# Altium PCB R3S603.PcbDoc
Units mm, origin at the board's own origin, x right, y up, seen from the top; angles counter-clockwise.
Board outline 100.25 x 100.25 mm, 2 copper layers (Top Layer, Bottom Layer); 55 components, 39 nets, 188 pads, 31 vias.
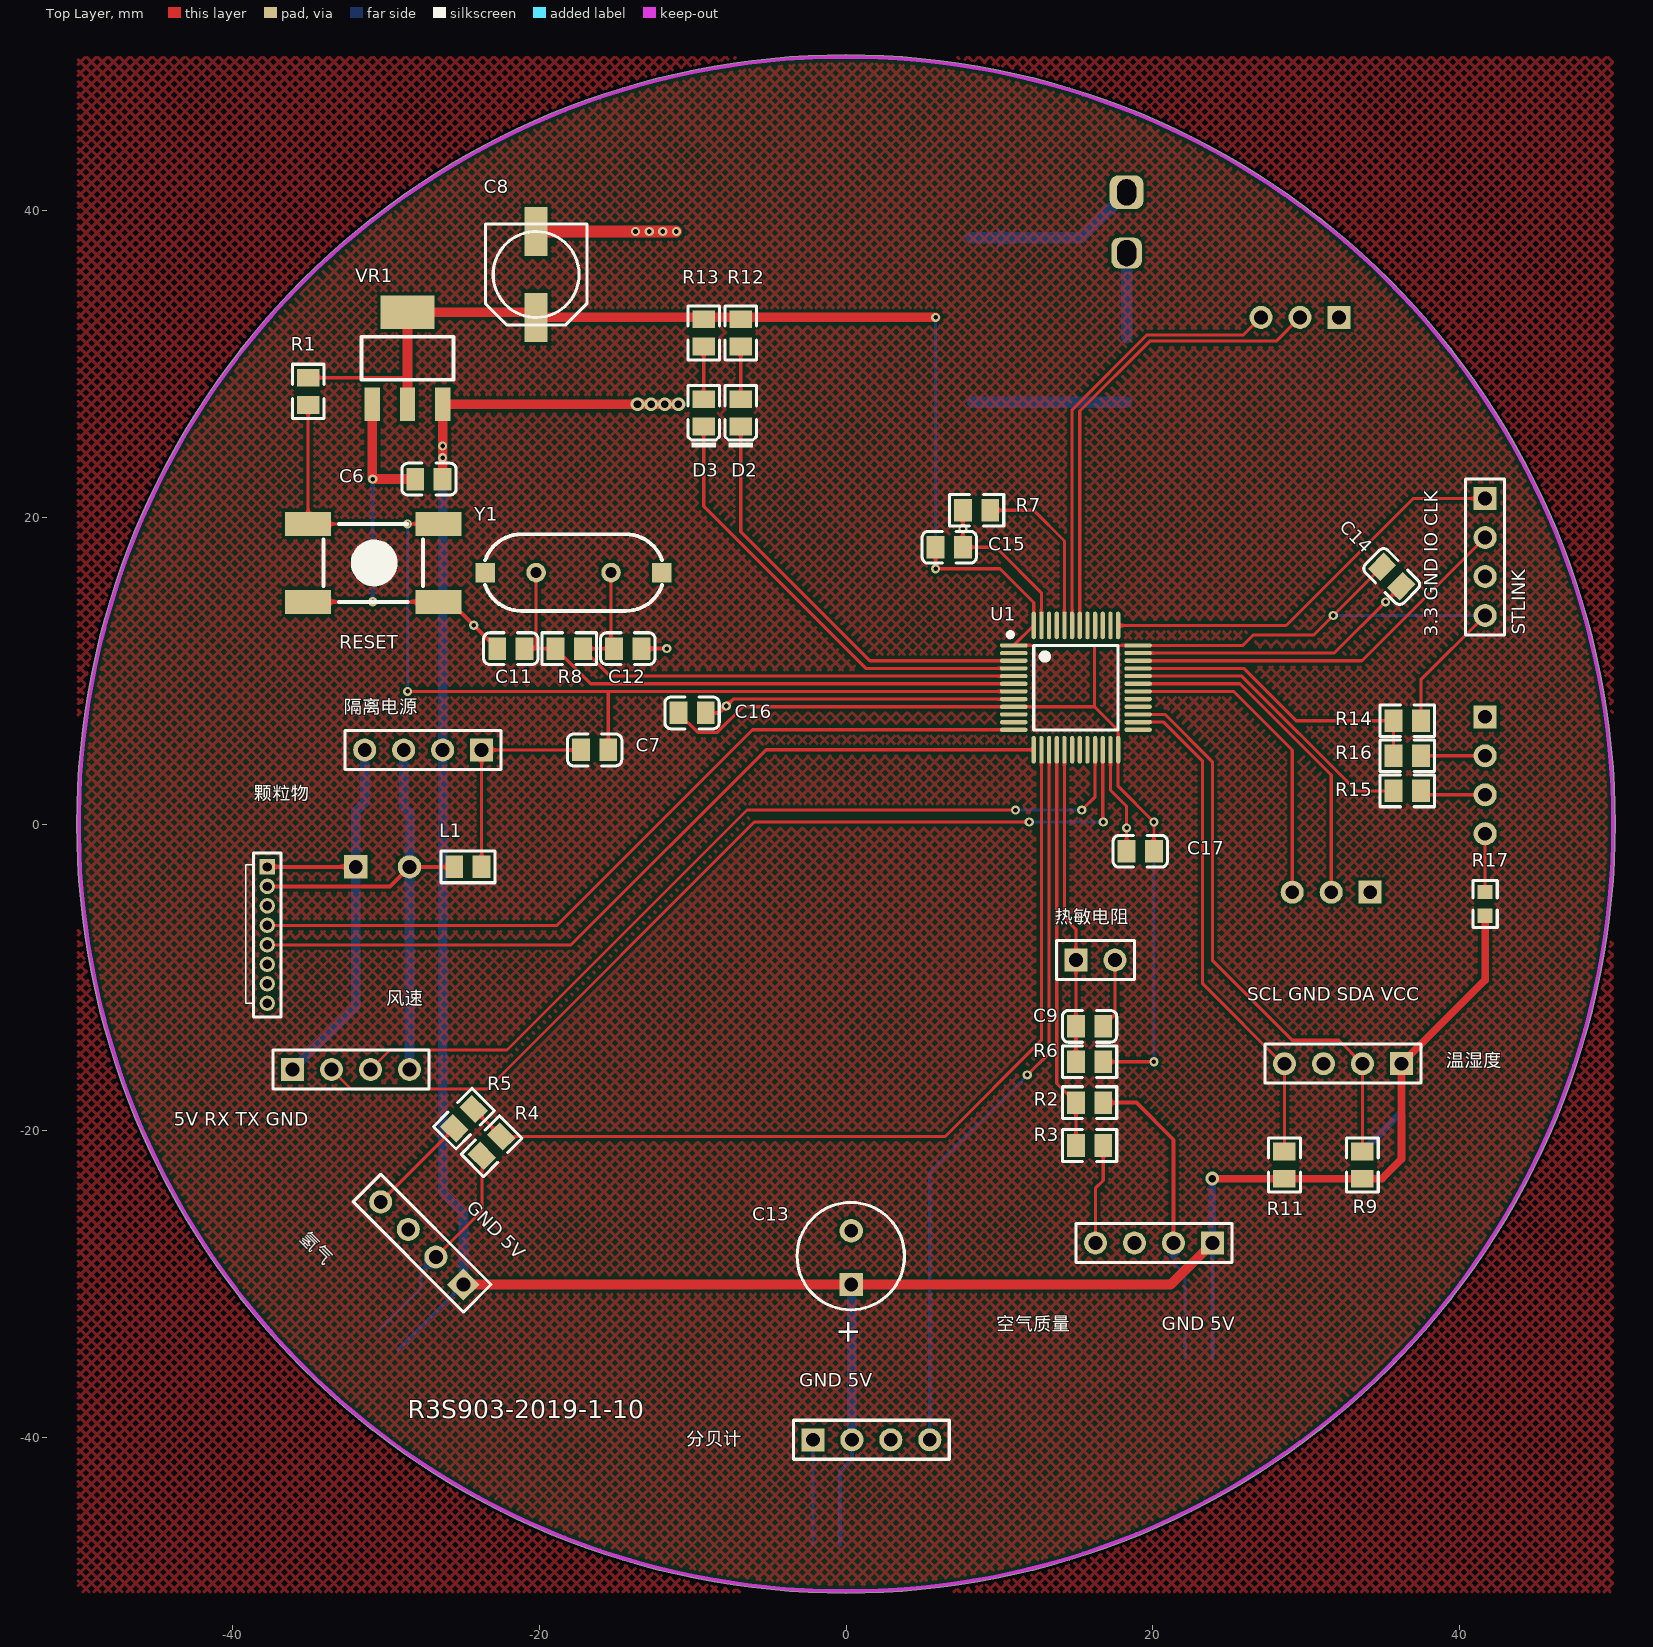
[diagram p0: Top Layer view]
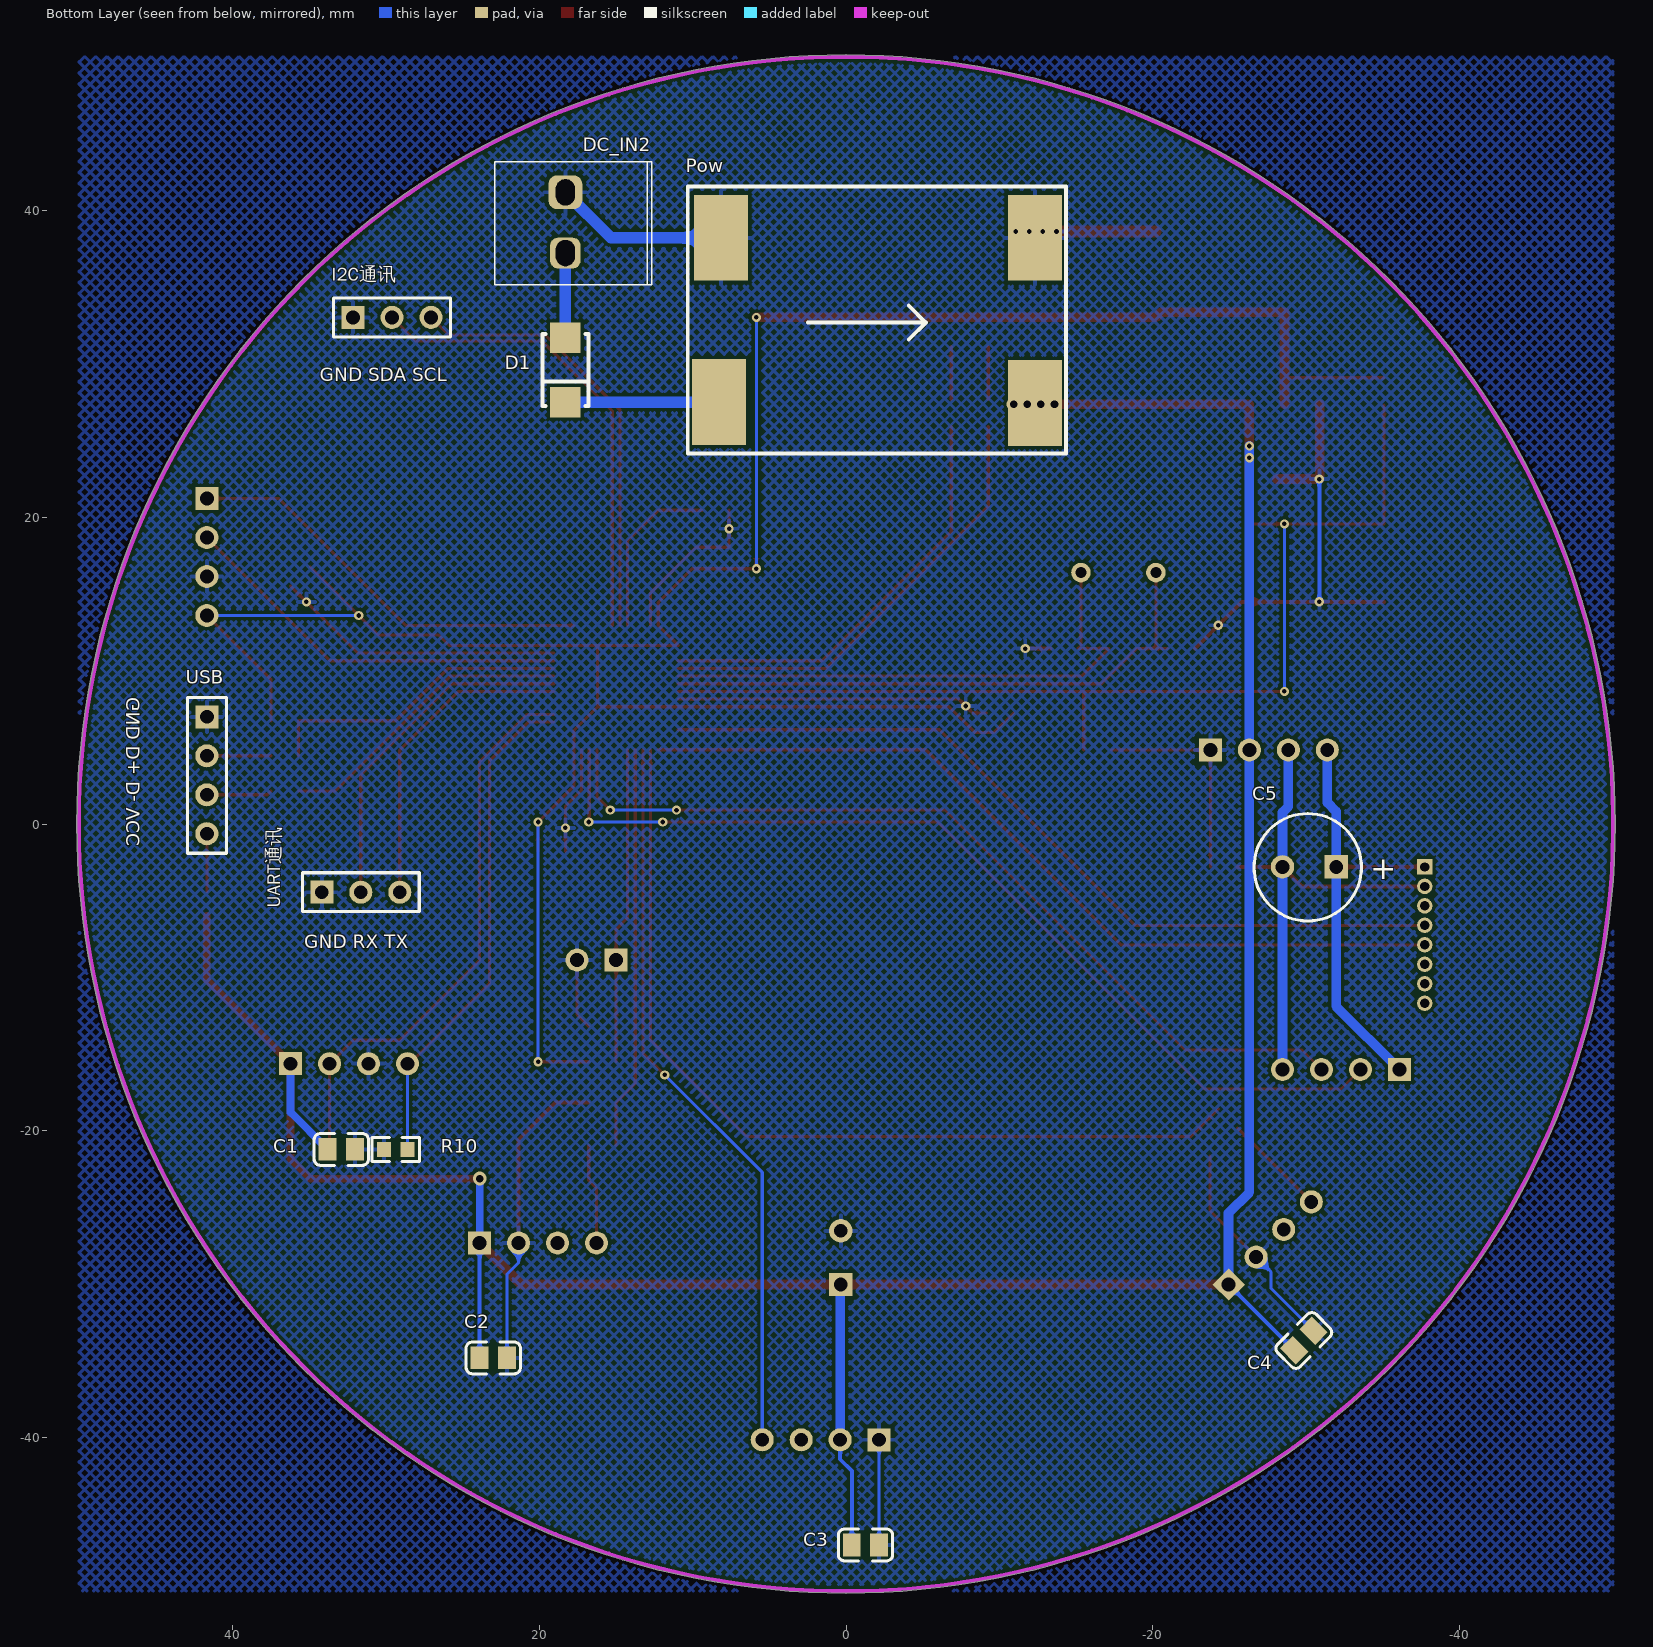
[diagram p1: Bottom Layer view, seen from below]
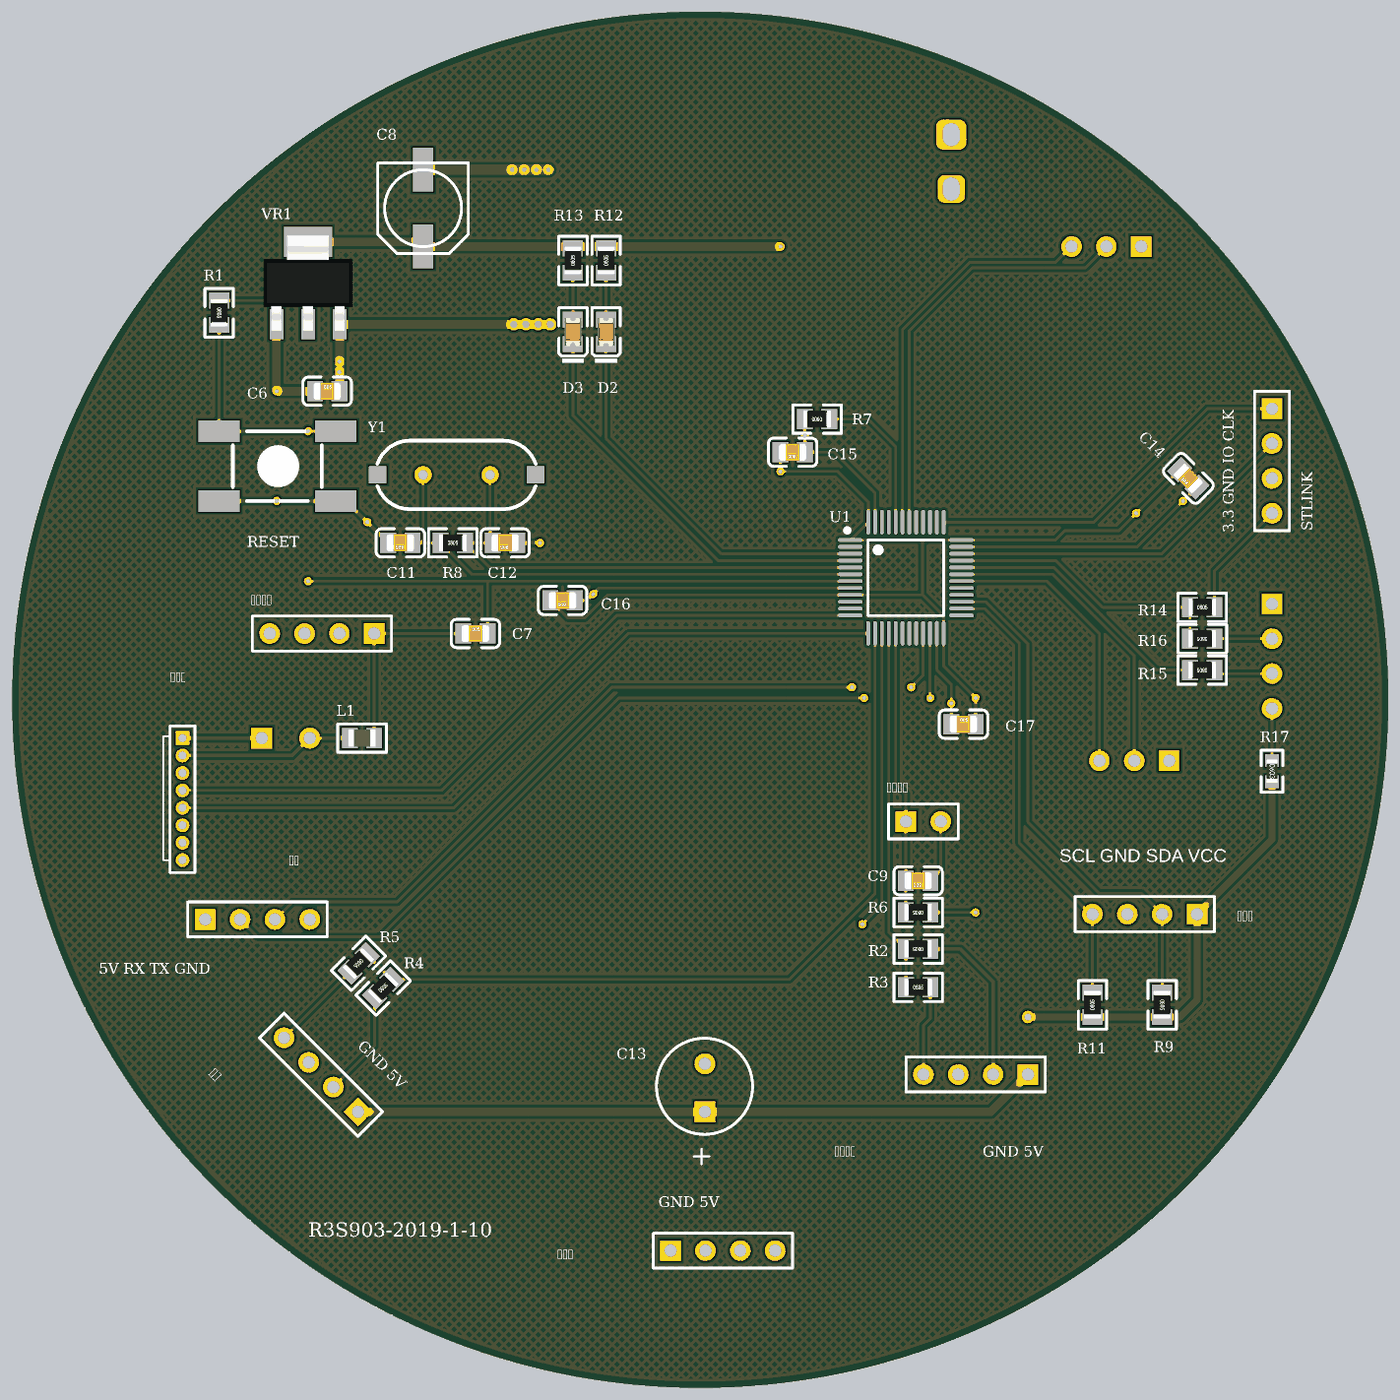
[diagram p2: 3D render of the assembled board from above, using the file's embedded part models]

## Layer stack, top to bottom
Top Solder: solder mask 0.0102, Solder Resist, Dk 3.5
Top Layer: signal copper 0.0356
Dielectric 1: dielectric 0.32, FR-4, Dk 4.8
Bottom Layer: signal copper 0.0356
Bottom Solder: solder mask 0.0102, Solder Resist, Dk 3.5

## Board outline
0,-50.127 cw(c0,0) -50.127,0 cw(c0,0) 0,50.127 cw(c0,0) 50.127,0 cw(c0,0)

## Design rules (kind name [scope] priority, off if disabled: settings)
Clearance [All] p1: gap=0.203 ignorepadtopadclearanceinfootprint=FALSE
PolygonConnect [All] p1: connectstyle=Relief reliefconductorwidth=0.254 reliefentries=4 polygonreliefangle="90 Angle" airgapwidth=0.254
RoutingVias [All] p1: holewidth=0.711 width=1.27 viastyle="Through Hole" minholewidth=0.711 minwidth=1.27 maxholewidth=0.711 maxwidth=1.27
SolderMaskExpansion [All] p1: expansion=0.102
Width [All] p1: maxlimit=0.762 minlimit=0.203 preferedwidth=0.254
30 further rules are at their usual default settings.

## Components (designator, comment, footprint, x,y, rotation, side; value= is the part's Value field where it differs from the comment)
C1 "100nF(104) 10% 50V" LC-0805_C 32.893,-21.209 r0 bottom
C2 "100nF(104) 10% 50V" LC-0805_C 22.987,-34.798 r180 bottom
C3 "100nF(104) 10% 50V" LC-0805_C -1.27,-46.99 r180 bottom
C4 "100nF(104) 10% 50V" LC-0805_C -29.839,-33.661 r135 bottom
C5 "Cap" CAP-DIP-3.5 -31.948,-2.794 r180 bottom locked
C6 "10uF (106) 10% 25V" LC-0805_C -27.178,22.479 r0 top
C7 "100nF(104) 10% 50V" LC-0805_C -16.383,4.826 r0 top
C8 "22uF" CC6.56.5 -20.193,35.814 r90 top
C9 "100nF(104) 10% 50V" LC-0805_C 15.875,-13.188 r180 top
C11 "22pF (220) 5% 50V" LC-0805_C -21.845,11.43 r180 top
C12 "22pF (220) 5% 50V" LC-0805_C -14.224,11.43 r180 top
C13 "Cap" CAP-DIP-3.5 0.337,-30.016 r270 top
C14 "100nF(104) 10% 50V" LC-0805_C 35.56,16.129 r135 top
C15 "100nF(104) 10% 50V" LC-0805_C 6.732,18.034 r180 top
C16 "100nF(104) 10% 50V" LC-0805_C -10.033,7.239 r180 top
C17 "100nF(104) 10% 50V" LC-0805_C 19.177,-1.778 r0 top
D1 "SS210" LC-SMA(DO-214AC)_S1 18.288,29.591 r90 bottom
D2 "翠绿 0805" LC-0805_LED_S1 -6.858,26.796 r90 top
D3 "红灯 0805" LC-0805_LED_S1 -9.271,26.796 r90 top
DC_IN2 "Header 2" "VH-2A - Circle Hole" 18.288,41.171 r270 bottom
I2C通讯 "Header 3" HDR1X3 32.131,33.02 r180 bottom (schematic designator I2CͨѶ)
L1 "47uH ±10%" LC-0805_L -24.638,-2.794 r180 top
Pow "Power" Power_Model -14.351,41.554 r0 bottom locked
R1 "10KΩ (1002) ±1%" LC-0805_R -35.052,28.194 r270 top
R2 "3.3KΩ (3301) ±1%" LC-0805_R 15.876,-18.161 r180 top
R3 "1.5KΩ (1501) ±1%" LC-0805_R 15.876,-20.955 r0 top
R4 "3.3KΩ (3301) ±1%" LC-0805_R -23.102,-20.998 r45 top
R5 "1.5KΩ (1501) ±1%" LC-0805_R -24.898,-19.202 r225 top
R6 "10KΩ (1002) ±1%" LC-0805_R 15.875,-15.494 r180 top
R7 "10KΩ (1002) ±1%" LC-0805_R 8.509,20.447 r180 top
R8 "10MΩ (1005) ±1%" LC-0805_R -18.034,11.43 r0 top
R9 "5.1KΩ (5101) ±1%" LC-0805_R 33.655,-22.225 r270 top
R10 "0Ω (0R0) ±1%" LC-0603_R 29.345,-21.209 r180 bottom
R11 "5.1KΩ (5101) ±1%" LC-0805_R 28.575,-22.225 r90 top
R12 "510Ω (5100) ±1%" LC-0805_R -6.858,32.003 r90 top
R13 "510Ω (5100) ±1%" LC-0805_R -9.271,32.003 r90 top
R14 "1.5KΩ (1501) ±1%" LC-0805_R 36.576,6.731 r0 top
R15 "10Ω (10R0) ±1%" LC-0805_R 36.576,2.159 r180 top
R16 "10Ω (10R0) ±1%" LC-0805_R 36.577,4.445 r180 top
R17 "0Ω (0R0) ±1%" LC-0603_R 41.656,-5.207 r270 top
RESET "KEY_M" KEY_M -35.052,19.558 r0 top
STLINK "Header 4" HDR1X4 41.656,21.209 r270 top
U1 "STM32F103C8T6" LC-LQFP-48_7x7x05P 14.986,8.89 r270 top locked
UART通讯 "Header 3" HDR1X3 34.163,-4.445 r180 bottom (schematic designator UARTͨѶ)
USB "Header 4" HDR1X4 41.656,6.985 r270 bottom
VR1 "AMS1117-3.3" LC-SOT-223 -28.575,30.353 r270 top
Y1 "8MHz" XTAL_US -20.193,16.383 r0 top
分贝计 "Header 4" HDR1X4 -2.159,-40.132 r0 top
氢气 "Header 4" HDR1X4 -24.935,-30.016 r135 top
温湿度 "Header 4" HDR1X4 36.195,-15.621 r180 top
热敏电阻 "Header 2" HDR1X2 14.986,-8.87 r0 top
空气质量 "Header 4" HDR1X4 23.878,-27.303 r180 top
隔离电源 "Header 4" HDR1X4 -23.749,4.826 r180 top
颗粒物 "MHDR1X8" MHDR1X8 -37.719,-2.794 r270 top
风速 "Header 4" HDR1X4 -36.068,-16.002 r0 top

## Footprints (in the part's own frame and the unit in brackets; to place one, negate y for a bottom-side part, rotate by r counter-clockwise, add the part's x,y. Pads: shape width x height; smd on the part's side, far side on the other; paste and mask are expansions set on the pad)
CAP-DIP-3.5 [mil]
  rect 60x60 hole 35.43: 1(0,0)
  round 60 hole 35.43: 2(-137.8,0)
  silkscreen extent -211,-139 65,137
CC6.56.5 [mm]
  rect 3.2x1.5 smd: 1(-2.794,0) 2(2.8,0)
  silkscreen extent -3.3,-3.3 3.3,3.3
HDR1X2 [mm] "Connector; Header; 2 Position"
  rect 1.5x1.5 hole 0.9: 1(0,0)
  round 1.5 hole 0.9: 2(2.54,0)
  silkscreen extent -1.27,-1.27 3.81,1.27
HDR1X3 [mm] "Connector; Header; 3 Position"
  rect 1.5x1.5 hole 0.9: 1(0,0)
  round 1.5 hole 0.9: 2(2.54,0) 3(5.08,0)
  silkscreen extent -1.27,-1.27 6.35,1.27
HDR1X4 [mm] "Connector; Header; 4 Position"
  rect 1.5x1.5 hole 0.9: 1(0,0)
  round 1.5 hole 0.9: 2(2.54,0) 3(5.08,0) 4(7.62,0)
  silkscreen extent -1.27,-1.27 8.89,1.27
KEY_M [mm]
  rect 3x1.575 smd: 1(0,0) 1(8.5,0) 2(0,-5.08) 2(8.5,-5.08)
  silkscreen extent 1,-5.08 7.48,0
LC-0603_R [mm]
  rect 0.93x0.98 smd: 1(-0.77,0) 2(0.77,0)
  silkscreen extent -1.53,-0.79 1.54,0.79, body extent -0.85,-0.4 0.85,0.4, height 0.56
LC-0805_C [mm]
  rect 1.16x1.47 smd: 1(-0.89,0) 2(0.89,0)
  silkscreen extent -1.77,-1.04 1.77,1.04, body extent -1,-0.63 1,0.63, height 0.77
LC-0805_L [mm]
  rect 1.16x1.47 smd: 1(-0.89,0) 2(0.89,0)
  silkscreen extent -1.77,-1.04 1.77,1.03, body extent -1.02,-0.64 1.03,0.64, height 0.6
LC-0805_LED_S1 [mm]
  rect 1.16x1.47 smd: A(0.89,0) K(-0.89,0)
  silkscreen extent -2.24,-1.04 1.77,1.03, body extent -1.01,-0.62 1.01,0.62, height 1.1
LC-0805_R [mm]
  rect 1.16x1.47 smd: 1(-0.89,0) 2(0.89,0)
  silkscreen extent -1.77,-1.04 1.77,1.03, body extent -1,-0.62 1,0.63, height 0.49
LC-LQFP-48_7x7x05P [mm]
  oval 0.28x1.8 smd mask+0.051: 1(-2.75,-4.05) 2(-2.25,-4.05) 3(-1.75,-4.05) 4(-1.25,-4.05) 5(-0.75,-4.05) 6(-0.25,-4.05) 7(0.25,-4.05) 8(0.75,-4.05) 9(1.25,-4.05) 10(1.75,-4.05) 11(2.25,-4.05) 12(2.75,-4.05) 25(2.75,4.05) 26(2.25,4.05) 27(1.75,4.05) 28(1.25,4.05) 29(0.75,4.05) 30(0.25,4.05) 31(-0.25,4.05) 32(-0.75,4.05) 33(-1.25,4.05) 34(-1.75,4.05) 35(-2.25,4.05) 36(-2.75,4.05)
  oval 1.8x0.28 smd mask+0.051: 13(4.05,-2.75) 14(4.05,-2.25) 15(4.05,-1.75) 16(4.05,-1.25) 17(4.05,-0.75) 18(4.05,-0.25) 19(4.05,0.25) 20(4.05,0.75) 21(4.05,1.25) 22(4.05,1.75) 23(4.05,2.25) 24(4.05,2.75) 37(-4.05,2.75) 38(-4.05,2.25) 39(-4.05,1.75) 40(-4.05,1.25) 41(-4.05,0.75) 42(-4.05,0.25) 43(-4.05,-0.25) 44(-4.05,-0.75) 45(-4.05,-1.25) 46(-4.05,-1.75) 47(-4.05,-2.25) 48(-4.05,-2.75)
  silkscreen extent -3.6,-4.42 2.75,2.75
LC-SMA(DO-214AC)_S1 [mm]
  rect 2x2 smd: 1(2.1,0) 2(-2.1,0)
  silkscreen extent -2.35,-1.5 2.35,1.5
LC-SOT-223 [mm]
  rect 2.2x1 smd: 1(3,-2.3) 2(3,0) 3(3,2.3)
  rect 2.2x3.5 smd: 2(-3,0)
  silkscreen extent -1.4,-3 1.4,3, body extent -3.49,-3.24 3.49,3.24, height 1.64
MHDR1X8 [mm] "Connector; Header; 8 Position"
  rect 1x1 hole 0.6: 1(0,0)
  round 1 hole 0.6: 2(1.27,0) 3(2.54,0) 4(3.81,0) 5(5.08,0) 6(6.35,0) 7(7.62,0) 8(8.89,0)
  silkscreen extent -0.9,-0.9 9.79,0.9
Power_Model [mil] "电源转换模块"
  rect 137.8x220 smd: 1(890.83,553) 2(885.83,132) 3(80,556) 4(80,132)
  silkscreen extent 0,0 971,685, body extent 1,0 973,684, height 197
"VH-2A - Circle Hole" [mm] "Header 2 use for Power"
  rrect50% 2.2x2.2 hole 1.24 slot 1.7 at 0 deg: 1(0,0)
  rrect50% 2x2 hole 1.24 slot 1.7 at 0 deg: 2(3.96,0)
  silkscreen extent -1.98,-4.6 6.02,5.61
XTAL_US [mil]
  round 50 hole 28: 1(0,0) 2(192.13,0)
  rect 50x50 smd: ""(-130.32,0) ""(322.44,0)
  silkscreen extent -131,-98 323,98

## Part data
C1 C2 C3 C4 C7 C9 C14 C15 C16 C17: library part "0805 100nF(104) 10% 50V", "贴片电容", Package=0805, SuppliersPartNumber=C49678, ComponentLink1Description=供应商链接, ComponentLink1URL=http://www.szlcsc.com/product/details_50686.html, Supplier=LC
C5 C13: library part Cap_DIP, "Cap_DIP"
C6: library part "0805 10uF (106) 10% 25V", "贴片电容", Package=0805, SuppliersPartNumber=C15850, ComponentLink1Description=供应商链接, ComponentLink1URL=http://www.szlcsc.com/product/details_16532.html, Supplier=LC
C8: library part CAP
C11 C12: library part "0805 22pF (220) 5% 50V", "贴片电容", Package=0805, SuppliersPartNumber=C1804, ComponentLink1Description=供应商链接, ComponentLink1URL=http://www.szlcsc.com/product/details_2156.html, Supplier=LC
D1: library part "SMA(DO-214AC) SS210", "二极管", Package=SMA(DO-214AC), SuppliersPartNumber=C14996, ComponentLink1Description=供应商链接, ComponentLink1URL=http://www.szlcsc.com/product/details_15669.html, Supplier=LC
D2: library part "0805 翠绿", "发光二极管", Package=0805, SuppliersPartNumber=C2297, ComponentLink1Description=供应商链接, ComponentLink1URL=http://www.szlcsc.com/product/details_2670.html, Supplier=LC
D3: library part "0805 红灯", "发光二极管", Package=0805, SuppliersPartNumber=C2295, ComponentLink1Description=供应商链接, ComponentLink1URL=http://www.szlcsc.com/product/details_2668.html, Supplier=LC
DC_IN2: "贴片2p座"
I2C通讯 UART通讯: "Header, 3-Pin", LatestRevisionDate=17-Jul-2002, LatestRevisionNote="Re-released for DXP Platform.", Publisher="Altium Limited"
L1: library part "0805 47uH 10%", "贴片电感", Package=0805, SuppliersPartNumber=C14304, ComponentLink1Description=供应商链接, ComponentLink1URL=http://www.szlcsc.com/product/details_14964.html, Supplier=LC
Pow: library part Power_Model
R1 R6 R7: library part "0805 10KΩ (1002) 1%", "贴片电阻", Package=0805, SuppliersPartNumber=C17414, ComponentLink1Description=供应商链接, ComponentLink1URL=http://www.szlcsc.com/product/details_18102.html, Supplier=LC
R2 R4: library part "0805 3.3KΩ (3301) 1%", "贴片电阻", Package=0805, SuppliersPartNumber=C26010, ComponentLink1Description=供应商链接, ComponentLink1URL=http://www.szlcsc.com/product/details_26753.html, Supplier=LC
R3 R5 R14: library part "0805 1.5KΩ (1501) 1%", "贴片电阻", Package=0805, SuppliersPartNumber=C4310, ComponentLink1Description=供应商链接, ComponentLink1URL=http://www.szlcsc.com/product/details_4717.html, Supplier=LC
R8: library part "0805 10MΩ (1005) 1%", "贴片电阻", Package=0805, SuppliersPartNumber=C26108, ComponentLink1Description=供应商链接, ComponentLink1URL=http://www.szlcsc.com/product/details_26851.html, Supplier=LC
R9 R11: library part "0805 5.1KΩ (5101) 1%", "贴片电阻", Package=0805, SuppliersPartNumber=C27834, ComponentLink1Description=供应商链接, ComponentLink1URL=http://www.szlcsc.com/product/details_28584.html, Supplier=LC
R10 R17: library part "0603 0Ω (0R0) 1%", "贴片电阻", Package=0603, SuppliersPartNumber=C21189, ComponentLink1Description=供应商链接, ComponentLink1URL=http://www.szlcsc.com/product/details_21903.html, Supplier=LC
R12 R13: library part "0805 510Ω (5100) 1%", "贴片电阻", Package=0805, SuppliersPartNumber=C17734, ComponentLink1Description=供应商链接, ComponentLink1URL=http://www.szlcsc.com/product/details_18422.html, Supplier=LC
R15 R16: library part "0805 10Ω (10R0) 1%", "贴片电阻", Package=0805, SuppliersPartNumber=C17415, ComponentLink1Description=供应商链接, ComponentLink1URL=http://www.szlcsc.com/product/details_18103.html, Supplier=LC
STLINK USB 分贝计 氢气 温湿度 空气质量 隔离电源 风速: "Header, 4-Pin", LatestRevisionDate=17-Jul-2002, LatestRevisionNote="Re-released for DXP Platform.", Publisher="Altium Limited"
U1: "ARM", Package=LQFP-48_7x7x05P, SuppliersPartNumber=C8734, ComponentLink1Description=供应商链接, ComponentLink1URL=http://www.szlcsc.com/product/details_9243.html, Supplier=LC
VR1: library part "SOT-223 AMS1117-3.3", "低压差线性稳压(LDO)", Package=SOT-223, SuppliersPartNumber=C6186, ComponentLink1Description=供应商链接, ComponentLink1URL=http://www.szlcsc.com/product/details_6652.html, Supplier=LC
Y1: library part XTAL, "Crystal Oscillator", LatestRevisionDate=17-Jul-2002, LatestRevisionNote="Re-released for DXP Platform.", Published=8-Jun-2000, Publisher="Altium Limited"
热敏电阻: "Header, 2-Pin", LatestRevisionDate=17-Jul-2002, LatestRevisionNote="Re-released for DXP Platform.", Publisher="Altium Limited"
颗粒物: "Header, 8-Pin", LatestRevisionDate=17-Jul-2002, LatestRevisionNote="Re-released for DXP Platform.", Publisher="Altium Limited"

## Via types
v1: diameter 0.6, hole 0.3, Top Layer to Bottom Layer, 26 vias
v2: diameter 0.9, hole 0.5, Top Layer to Bottom Layer, 5 vias

## Nets (pads, with @x,y where several pads share a name; then routed paths per layer and width w, separated by ;. In a path a pad name is that pad's centre, name@x,y a point inside that pad or via, vN(x,y) a via of type N, cw(c..) or ccw(c..) an arc to the next point about the centre after c; other vN are vias at no path point)
5V_GL: C5.1 隔离电源.4 颗粒物.1 风速.1 | length 28.5
  Top Layer w0.254: 颗粒物.1 C5.1
  Bottom Layer w0.635: 风速.1 -31.948,-11.882 C5.1 -31.948,0.818 -31.369,1.397 隔离电源.4
+3.3: C8.1 C14.2 C15.2 C16.2 C17.2 R1.1 R6.1 R12.2 R13.2 R14.2 STLINK.4 U1.1 U1.9 U1.24 U1.36 U1.48 VR1.2 | length 184.8
  Top Layer w0.203: R1.1 -28.576,29.084 -28.575,29.083 ; C16.2 -9.653,5.969 -8.382,5.969 -6.711,7.64 U1.9 16.192,7.64 ; R13.2 R12.2 ; C15.2 v1(5.842,16.637) 10.033,16.637 12.236,14.434 U1.48 U1.1 16.129,11.64 ; R6.1 v1(20.066,-15.494) ; C17.2 v1(20.066,0.127) 17.736,2.459 U1.24 17.736,6.096 16.192,7.64 ; C14.2 30.486,12.313 26.543,12.313 25.87,11.64 U1.36 16.129,11.64 ; R14.2 37.466,9.399 STLINK.4 ; 16.129,11.64 16.192,11.577 16.192,7.64
  Top Layer w0.635: VR1.2@-28.575,27.353 -28.575,29.083 -28.575,33.353 -20.526,33.353 C8.1 v1(5.842,33.02)
  Bottom Layer w0.203: v1(5.842,16.637) v1(5.842,33.02) ; v1(20.066,-15.494) v1(20.066,0.127) ; v1(31.751,13.589) STLINK.4
+5: C1.2 C2.1 C3.1 C4.1 C6.2 C13.1 Pow.3 R9.2 R11.1 R17.2 VR1.3 分贝计.2 氢气.1 温湿度.1 空气质量.1 隔离电源.2 | length 198
  Top Layer w0.508: v2(23.876,-23.114) R9.2 R9.2 34.924,-23.115 36.195,-21.844 温湿度.1 41.656,-10.16 R17.2
  Top Layer w0.635: C6.2 -26.275,22.492 VR1.3 v2(-10.923,27.353) ; 氢气.1 C13.1 21.165,-30.016 空气质量.1
  Bottom Layer w0.254: C4.1 氢气.1 ; C3.1 -0.38,-42.164 0.381,-41.403 分贝计.2 ; C2.1 23.878,-34.797 空气质量.1
  Bottom Layer w0.508: v2(23.876,-23.114) 23.876,-27.301 空气质量.1 ; C1.2 36.195,-18.797 温湿度.1
  Bottom Layer w0.635: v1(-26.289,24.638) v1(-26.289,23.876) 隔离电源.2 -26.289,-24.003 -24.935,-25.357 氢气.1 ; 分贝计.2 C13.1@0.381,-30.016
  other v2: -13.589,27.353 -12.7,27.353 -11.811,27.353
ADC_IN4: R4.2 R5.1 U1.14 | length 59.3
  Top Layer w0.203: R5.1@-24.267,-18.574 R4.2 6.464,-20.369 12.736,-14.097 U1.14
ADC_IN5: U1.15 分贝计.4 | length 48.2
  Top Layer w0.203: v1(11.811,-16.355) 13.236,-14.93 U1.15
  Bottom Layer w0.203: 分贝计.4 5.461,-22.705 v1(11.811,-16.355)
ADC_IN6: R2.2 R3.1 U1.16 | length 26.3
  Top Layer w0.203: U1.16 13.736,-16.911 R2.2 R3.1
ADC_IN7: C9.2 R6.2 U1.17 热敏电阻.1 | length 20.6
  Top Layer w0.203: U1.17 14.236,-6.108 14.985,-6.857 R6.2
ADC_IN8: U1.29
GND: C1.1 C2.2 C3.2 C4.2 C6.1 C7.1 C8.2 C9.1 C11.2 C12.1 C13.2 C14.1 C15.1 C16.1 C17.1 DC_IN2.1 I2C通讯.1 L1.1 Pow.2 Pow.4 R2.1 R4.1 R7.2 R10.1 RESET.2 STLINK.3 U1.8 U1.23 U1.35 U1.47 UART通讯.1 USB.1 VR1.1 分贝计.1 氢气.2 温湿度.3 热敏电阻.2 空气质量.2 隔离电源.1 | length 168.7
  Top Layer w0.203: 氢气.2 -23.731,-25.22 R4.1 ; L1.1 隔离电源.1 隔离电源.1 C7.1 ; C16.1 -8.255,7.239 -7.354,8.14 U1.8 ; R7.2 7.619,18.037 C15.1 9.779,18.034 12.736,15.077 U1.47 ; C9.1 17.526,-12.427 热敏电阻.2 ; U1.23 17.236,2.195 18.287,1.144 C17.1 ; DC_IN2.1@17.377,41.149 DC_IN2.1@17.399,41.171 ; U1.35 31.83,11.14 v1(35.168,14.478) C14.1
  Top Layer w0.254: RESET.2@-35.052,14.478 -26.552,14.478 -25.783,14.478 C11.2 ; C12.1 v1(-11.684,11.43) ; R2.1 18.923,-18.161 21.338,-20.576 空气质量.2
  Top Layer w0.635: VR1.1@-30.849,27.327 VR1.1 -30.875,22.505 v1(-30.849,22.479) C6.1
  Top Layer w0.762: C8.2 v1(-11.055,38.614)
  Bottom Layer w0.203: C4.2 -27.704,-30.266 -27.704,-29.192 氢气.2 ; C3.2 分贝计.1 分贝计.1 ; 空气质量.2 21.338,-28.577 22.097,-29.336 C2.2
  Bottom Layer w0.254: v1(-30.849,14.49) v1(-30.849,22.479)
  Bottom Layer w0.762: Pow.2 15.319,38.202 DC_IN2.1
  other v1: 18.288,-0.254 -7.804,7.69 -24.259,12.954 7.619,19.242 -13.716,38.614 -12.827,38.614 -11.938,38.614
GND_GL: C5.2 L1.2 隔离电源.3 颗粒物.2 风速.4 | length 33.7
  Top Layer w0.254: 颗粒物.2 -29.718,-4.064 C5.2 L1.2
  Bottom Layer w0.635: 隔离电源.3 -28.829,1.143 -28.448,0.762 C5.2 风速.4
IIC_SCL: I2C通讯.3 U1.43 | length 28.9
  Top Layer w0.203: U1.43 14.736,26.995 19.618,31.877 25.908,31.877 I2C通讯.3
IIC_SDA: I2C通讯.2 U1.42 | length 30.9
  Top Layer w0.203: U1.42 15.236,26.92 19.787,31.471 28.042,31.471 I2C通讯.2
LED0: D2.K U1.3 | length 28.1
  Top Layer w0.203: D2.K -6.858,19.05 1.552,10.64 U1.3
LED1: D3.K U1.4 | length 29.8
  Top Layer w0.203: D3.K -9.271,20.701 1.29,10.14 U1.4
NetC11_1: C11.1 R8.1 U1.6 Y1.1 | length 37.8
  Top Layer w0.203: C11.1 -20.193,11.43 ; Y1.1 -20.193,11.43 ; U1.6 -16.634,9.14 R8.1 -20.193,11.43
NetC12_2: C12.2 R8.2 U1.5 Y1.2 | length 35.9
  Top Layer w0.203: Y1.2 -15.313,11.629 C12.2 R8.2 -15.354,9.64 U1.5
NetD1_1: D1.1 DC_IN2.2 | length 5.5
  Bottom Layer w0.762: D1.1 DC_IN2.2
NetD1_2: D1.2 Pow.1 | length 10
  Bottom Layer w0.762: Pow.1 8.293,27.491 D1.2
NetD2_A: D2.A R12.1 | length 3.4
  Top Layer w0.203: D2.A R12.1
NetD3_A: D3.A R13.1 | length 3.4
  Top Layer w0.203: D3.A R13.1
NetR3_2: R3.2 空气质量.4 | length 6.6
  Top Layer w0.203: 空气质量.4 16.256,-27.305 16.256,-23.749 16.766,-23.239 R3.2
NetR5_2: R5.2 氢气.4 | length 6.8
  Top Layer w0.203: 氢气.4 R5.2
NetR7_1: R7.1 U1.44 | length 11.2
  Top Layer w0.203: R7.1 12.236,20.447 14.236,18.447 U1.44
NetR15_1: R15.1 USB.3 | length 4.3
  Top Layer w0.203: R15.1 37.72,1.905 USB.3
NetR16_1: R16.1 USB.2 | length 4.2
  Top Layer w0.203: R16.1 USB.2
NetR17_1: R17.1 USB.4 | length 3.8
  Top Layer w0.203: R17.1 USB.4
NRST: C7.2 R1.2 RESET.1 U1.7 | length 70.5
  Top Layer w0.203: R1.2 -35.052,19.558 RESET.1@-26.552,19.558 ; v1(-28.571,8.64) -15.494,8.64 ; C7.2 -15.493,8.639 -15.494,8.64 ; U1.7 -15.494,8.64
  Bottom Layer w0.203: v1(-28.571,8.64) v1(-28.571,19.558)
SWCLK: STLINK.1 U1.37 | length 27.3
  Top Layer w0.203: U1.37 28.688,12.94 36.957,21.209 STLINK.1
SWDIO: STLINK.2 U1.34 | length 25.9
  Top Layer w0.203: U1.34 33.627,10.64 STLINK.2
Tem_SCL: R10.2 R11.2 U1.26 温湿度.4 | length 38.5
  Top Layer w0.203: U1.26 20.701,6.64 23.241,4.1 23.241,-10.414 28.575,-15.748 R11.2
  Bottom Layer w0.203: R10.2 温湿度.4
Tem_SDA: R9.1 U1.27 温湿度.2 | length 37.3
  Top Layer w0.203: U1.27 20.8,7.14 23.876,4.064 23.876,-8.89 29.083,-14.097 32.131,-14.097 温湿度.2 R9.1
U_RX: U1.31 UART通讯.2 | length 22.7
  Top Layer w0.203: U1.31 25.678,9.14 31.623,3.195 UART通讯.2
U_TX: U1.30 UART通讯.3 | length 20.9
  Top Layer w0.203: U1.30 25.269,8.64 29.083,4.826 UART通讯.3
USART2_RX: U1.13 颗粒物.5 | length 55.2
  Top Layer w0.203: 颗粒物.5 -17.921,-7.874 -5.207,4.84 U1.13
USART2_TX: U1.12 颗粒物.4 | length 53.9
  Top Layer w0.203: 颗粒物.4 -18.84,-6.604 -6.096,6.14 U1.12
USART3_RX: U1.22 风速.2 | length 62.7
  Top Layer w0.203: 风速.2 -32.258,-17.272 -23.368,-17.272 -5.969,0.127 v1(11.938,0.127) ; v1@16.736,0.127 U1.22
  Bottom Layer w0.203: v1(11.938,0.127) v1(16.764,0.127)
USART3_TX: U1.21 风速.3 | length 57.7
  Top Layer w0.203: 风速.3 -29.718,-14.732 -22.098,-14.732 -6.457,0.909 v1(11.049,0.909) ; v1(15.367,0.909) 16.236,1.778 U1.21
  Bottom Layer w0.203: v1(11.049,0.909) v1(15.367,0.909)
USB_D+: R14.1 R16.2 U1.33 | length 20.3
  Top Layer w0.203: U1.33 25.928,10.14 29.337,6.731 R14.1 R16.2 R16.2
USB_D-: R15.2 U1.32 | length 19.7
  Top Layer w0.203: U1.32 25.793,9.64 33.274,2.159 R15.2
pads on no net: U1.2 U1.10 U1.11 U1.18 U1.19 U1.20 U1.25 U1.28 U1.38 U1.39 U1.40 U1.41 U1.45 U1.46 Y1. 分贝计.3 氢气.3 空气质量.3 颗粒物.3 颗粒物.6 颗粒物.7 颗粒物.8

## Polygon pours and split planes (outlines as drawn)
no net on Top Layer "Bottom Layer-GND" (hatched 45Degree grid 0.508 track 0.203, pour order 6): -50.038,49.962 49.962,49.962 49.962,-50.038 -50.038,-50.038
no net on Top Layer "Top Layer-No Net" (solid, pour order 0): -15.114,29.972
GND on Bottom Layer "Bottom Layer-GND" (hatched 45Degree grid 0.508 track 0.203, pour order 2): -50,50 50,50 50,-50 -50,-50

## Keep-outs
Keep-Out Layer:
  circle w0.254: c0,0 r50

## Silkscreen, mask and mechanical layers (free items; w line width, h text height)
Top Overlay:
  lines w0.1: -38.608,-11.684 -39.116,-11.684 -39.116,-2.667 -38.608,-2.667
  text "3.3 GND IO CLK" at 38.862,12.192 h1.52 r90
  text "SCL GND SDA VCC" at 26.162,-11.811 h1.52
  text "5V RX TX GND" at -43.815,-19.948 h1.52
  text "GND 5V" at -25.019,-25.273 h1.52 r315
  text "GND 5V" at 20.574,-33.274 h1.52
  text "GND 5V" at -3.048,-36.957 h1.52
  text "R3S903-2019-1-10" at -28.575,-39.116 h2.03
Bottom Overlay:
  text "GND SDA SCL" at 34.29,28.575 h1.52
  text "GND D+ D- VCC" at 45.72,8.255 h1.52 r270
  text "GND RX TX" at 35.306,-8.382 h1.52

## Text inside footprints (layer, text, board x,y; h text height)
C5: Bottom Overlay "+" at -34.183,-3.607 h1.5
C13: Top Overlay "+" at -0.475,-32.251 h1.5 r270